# Altium PCB PCB1.PcbDoc (part 4 of 4)
Units mil, origin at the board's own origin, x right, y up, seen from the top; angles counter-clockwise.
Board outline 7874.02 x 4566.93 mil, 9 copper layers (HIGH_SPEED_TOP, GND PLANE1, LOW_SPEED, POWER_PLANE1, POWER_PLANE2, SIGNAL, Mid-Layer 11, GND_PLANE3, HIGH_SPEED_BOT), stack 76.99 mil thick; 510 components, 416 nets, 2438 pads, 24 vias.
Unrouted connection lines stored in the file: 1542.
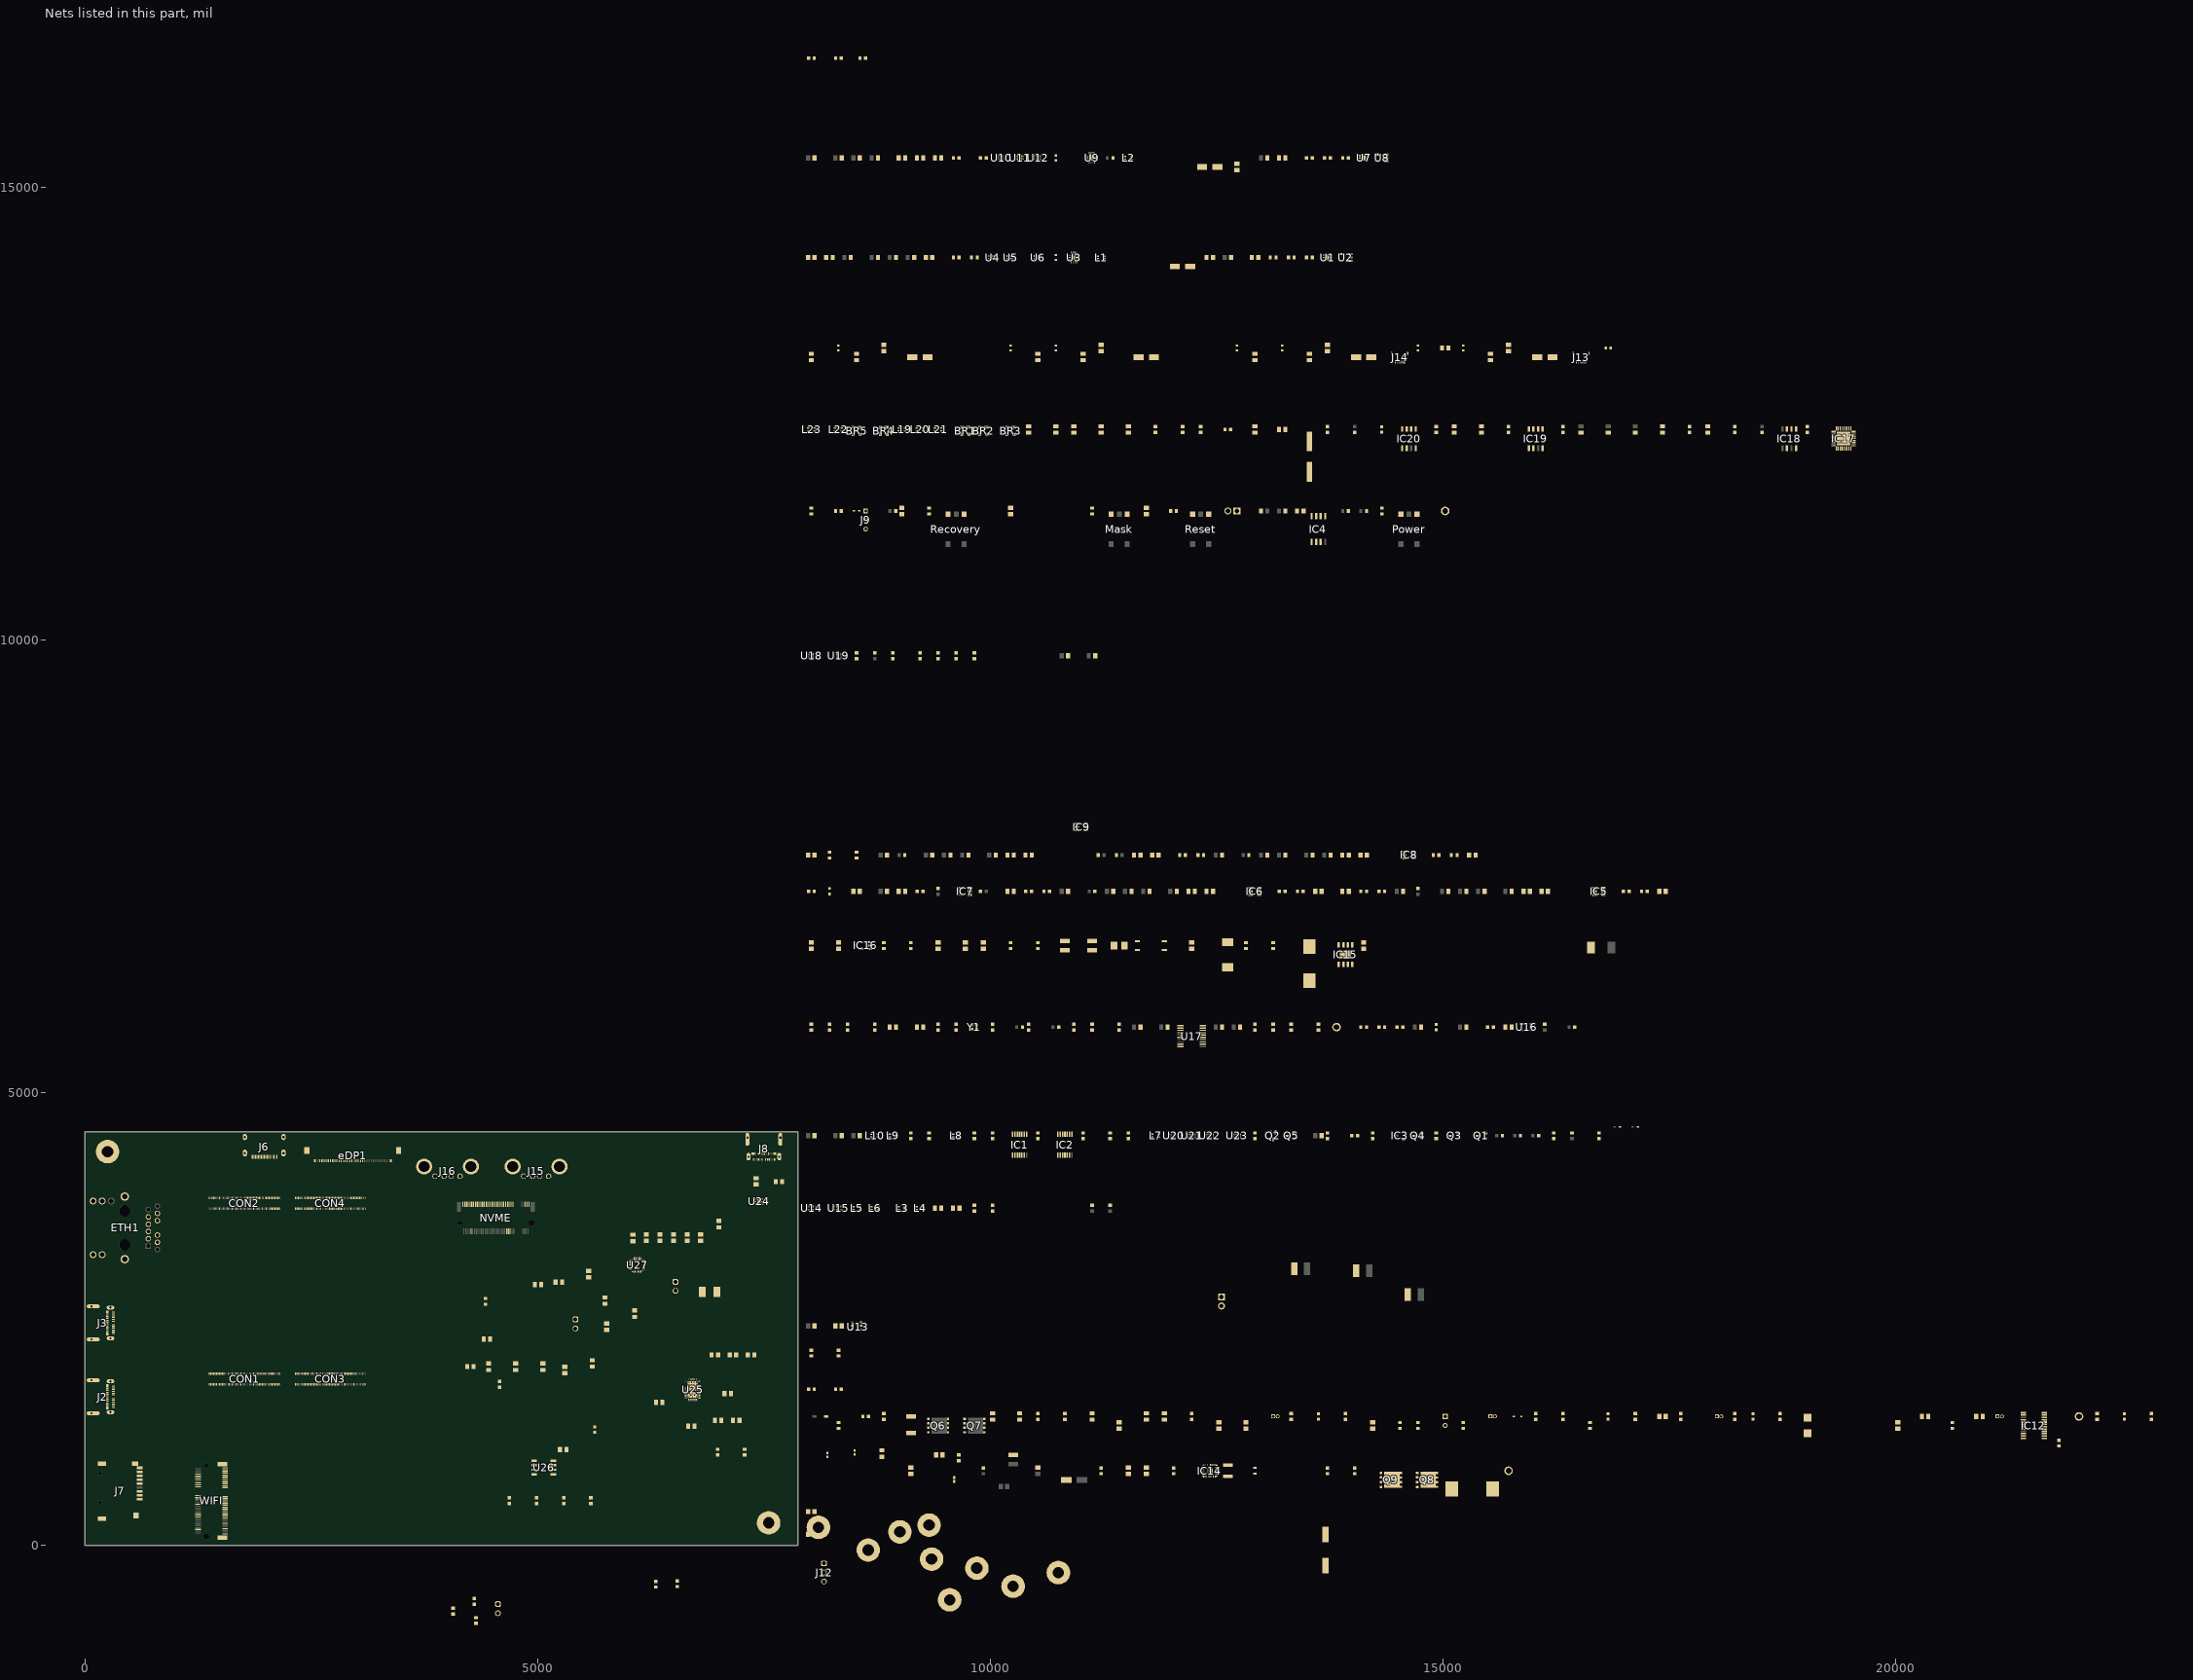
[diagram p11: the nets of this part, all layers, seen from the top]

## Via types
v1: diameter 23.62, hole 11.81, HIGH_SPEED_TOP to HIGH_SPEED_BOT, 24 vias

## Nets (pads, with @x,y where several pads share a name; then routed paths per layer and width w, separated by ;. In a path a pad name is that pad's centre, name@x,y a point inside that pad or via, vN(x,y) a via of type N, cw(c..) or ccw(c..) an arc to the next point about the centre after c; other vN are vias at no path point) (continued)
AGND: 66.1 BR1.3 BR2.3 BR3.3 BR4.3 BR5.3 BT4.2 C1.2 C2.1 C3.1 C4.1 C5.1 C6.1 C7.1 C8.1 C9.1 C10.1 C11.2 C12.1 C13.1 C14.1 C15.1 C16.1 C17.1 C18.1 C19.1 C20.1 C21.1 C22.1 C23.1 C24.1 C26.1 C27.1 C28.1 C29.1 C30.1 C31.1 C32.1 C33.1 C34.1 C35.1 C36.1 C37.1 C38.1 C39.1 C40.1 C41.2 C42.2 C43.2 C44.2 C45.1 C46.2 C47.1 C48.1 C49.1 C52.1 C53.1 C54.1 C55.1 C56.1 C57.1 C58.1 C61.1 C62.1 C63.1 C64.1 C65.1 C67.1 C68.1 C69.1 C70.1 C73.1 C74.1 C75.1 C76.1 C77.1 C78.1 C79.1 C82.1 C83.1 C84.1 C85.1 C86.1 C87.1 C88.1 C89.1 C90.1 C91.1 C92.1 C93.1 C94.1 C95.1 C96.1 C97.1 C98.1 C99.1 C100.1 C101.1 C102.1 C103.1 C112.1 C113.1 C114.1 C115.1 C116.2 C117.2 C122.1 C124.1 C127.2 C129.1 C130.1 C131.2 C132.1 C133.1 C134.2 C135.1 C136.1 C140.1 C141.1 C143.1 C144.1 C145.1 C146.2 C147.2 C148.2 C149.1 C151.1 C152.1 C153.1 C154.2 C155.2 C156.2 C157.2 C158.2 C159.2 C160.2 C161.1 C162.2 C163.2 C164.2 C165.2 C166.2 C167.1 C168.2 C169.2 C170.2 C171.2 C172.2 C173.2 C174.2 C175.2 C176.2 C177.2 C178.2 C179.2 C180.2 C181.2 C182.2 C183.2 C185.2 C186.2 CON1.11 CON1.12 CON1.13 CON1.24 CON1.33 CON1.34 CON1.39 CON1.40 CON1.45 CON1.46 CON1.51 CON1.52 CON1.57 CON1.58 CON1.63 CON1.64 CON1.69 CON1.70 CON1.73 CON1.76 CON1.77 CON1.82 CON1.88 CON1.91 CON1.94 CON1.100 CON2.9 CON2.10 CON2.15 CON2.16 CON2.21 CON2.22 CON2.27 CON2.28 CON2.33 CON2.34 CON2.39 CON2.40 CON2.45 CON2.46 CON2.51 CON2.52 CON2.57 CON2.58 CON2.63 CON2.64 CON2.69 CON2.70 CON2.75 CON2.76 CON2.81 CON2.82 CON2.87 CON2.88 CON2.93 CON2.94 CON2.99 CON2.100 CON3.1 CON3.2 CON3.7 CON3.8 CON3.13 CON3.14 CON3.19 CON3.20 CON3.25 CON3.26 CON3.31 CON3.32 CON3.37 CON3.38 CON3.44 CON3.49 CON3.50 CON3.56 CON3.59 CON3.62 CON3.71 CON3.84 CON3.85 CON3.94 CON4.1 CON4.2 CON4.7 CON4.8 CON4.13 CON4.14 CON4.19 CON4.20 CON4.25 CON4.26 CON4.31 CON4.32 CON4.37 CON4.38 CON4.43 CON4.44 CON4.49 CON4.50 CON4.55 CON4.61 CON4.62 CON4.68 CON4.80 CON4.83 CON4.96 D5.2 D7.2 eDP1.14 eDP1.15 eDP1.21 eDP1.22 eDP1.23 eDP1.24 eDP1.27 eDP1.30 eDP1.33 eDP1.36 eDP1.39 eDP1.S1 eDP1.S2 eDP1.S3 eDP1.S4 ETH1.S1 ETH1.S2 FB2.1 FB2.2 FB4.1 FB4.2 FB6.1 FB6.2 FB8.1 FB8.2 FB9.1 FB9.2 FB10.1 FB10.2 IC1.7 IC2.7 IC3.1 IC4.4 IC5.1 IC6.1 IC7.2 IC8.1 IC9.1 IC12.9 IC12.23 IC12.24 IC14.5 IC14.6 IC14.7 IC14.10 IC14.15 IC14.28 IC15.7 IC15.9 IC16.2 IC17.11 IC17.37 IC18.3 IC19.6 IC20.6 J2.A1 J2.A12 J2.B1 J2.B12 J2.SH1 J2.SH2 J2.SH3 J2.SH4 J3.A1 J3.A12 J3.B1 J3.B12 J3.SH1 J3.SH2 J3.SH3 J3.SH4 J6.1 J6.4 J6.7 J6.10 J6.13 J6.20 J7.6 J7.G1 J7.G2 J7.G3 J7.G4 J8.A1 J8.A12 J8.B1 J8.B12 J8.SH1 J8.SH2 J8.SH3 J8.SH4 J9.3 J12.3 J13.1 J14.1 J15.4 J16.4 J17.1 JP1.2 JP2.2 L24.1 L24.2 L25.1 L25.2 LED2.1 LED8.1 Mask.2 MTHNP1.1 MTHNP2.1 MTHNP3.1 MTHNP4.1 MTHNP5.1 MTHNP6.1 MTHNP7.1 MTHNP8.1 MTHNP9.1 MTHNP10.1 MTHNP11.1 NVME.1 NVME.3 NVME.9 NVME.15 NVME.21 NVME.27 NVME.33 NVME.39 NVME.45 NVME.51 NVME.57 NVME.71 NVME.73 NVME.75 Power.2 Q4.2 Q5.2 Q7.1 Q7.2 Q7.3 Q9.1 Q9.2 Q9.3 R1.1 R2.1 R3.1 R4.1 R5.1 R8.1 R9.1 R10.1 R11.1 R12.1 R23.1 R24.1 R30.1 R31.1 R36.1 R37.2 R38.1 R39.1 R40.1 R53.1 R74.1 R83.1 R88.1 R91.1 R97.1 R102.1 R104.1 R105.1 R106.1 R108.1 R112.1 R114.1 R115.1 R117.1 R127.1 R128.1 R135.1 R138.2 R139.1 R141.1 R142.1 R147.1 R149.1 R150.1 R151.1 R152.1 R155.1 R157.1 R158.1 R163.2 R164.1 R166.2 R168.2 R169.2 R170.2 R171.2 Recovery.2 Reset.2 RT1.2 RTC_BAT.2 U1.1 U1.2 U1.3 U1.7 U2.2 U3.9 U3.15 U4.3 U4.8 U5.3 U5.8 U6.3 U6.8 U7.1 U7.2 U7.3 U7.7 U8.2 U9.9 U9.15 U10.3 U10.8 U11.3 U11.8 U12.3 U12.8 U13.2 U14.3 U14.8 U15.3 U15.8 U16.2 U17.2 U17.3 U17.9 U17.16 U18.3 U18.8 U19.3 U19.8 U20.3 U20.8 U21.3 U21.8 U22.3 U22.8 U23.3 U23.8 U24.1 U24.2 U24.3 U24.7 U25.10 U25.11 U25.12 U25.14 U25.18 U25.31 U25.39 U26.4 U27.10 U27.11 U27.13 U27.27 WIFI.1 WIFI.7 WIFI.18 WIFI.33 WIFI.39 WIFI.45 WIFI.51 WIFI.57 WIFI.63 WIFI.69 WIFI.75 WIFI.S1 WIFI.S2 Y1.2 Y1.4
  other v1: 6670.84,1718.65 6697.61,1718.65 6724.39,1718.65 6751.16,1718.65 6670.84,1746.21 6697.61,1746.21 6724.39,1746.21 6751.16,1746.21 6670.84,1773.77 6697.61,1773.77 6724.39,1773.77 6751.16,1773.77 6670.84,1801.33 6697.61,1801.33 6724.39,1801.33 6751.16,1801.33
BOOT_SARADC_IN0: C43.1 CON1.15 R72.1
C_CC1: C91.2 J8.A5 U25.28
C_CC2: C90.2 J8.B5 U25.29
C_USB_N: J8.A7 J8.B7 U25.27
C_USB_P: J8.A6 J8.B6 U25.26
CEC: J6.14 Q3.3 R61.1 U21.1 U21.10
CHG: Q6.4 R122.2 R140.2
CLK2_N: R33.1 U17.13
CLK2_P: R32.1 U17.14
CLK3_N: R35.1 U17.11
CLK3_P: R34.1 U17.12
CLK_N: R29.1 U17.19
CLK_P: R28.1 U17.20
CR: C159.1 IC17.14
DN1_N: IC17.1 L20.2
DN1_OUT_N: BR2.4 J13.5 L20.3
DN1_OUT_P: BR2.2 J13.4 L20.4
DN1_P: IC17.2 L20.1
DN2_N: IC17.3 L21.2
DN2_OUT_N: BR3.4 J14.5 L21.3
DN2_OUT_P: BR3.2 J14.4 L21.4
DN2_P: IC17.4 L21.1
DN3_N: IC17.6 L23.2
DN3_OUT_N: BR5.4 J15.2 L23.3
DN3_OUT_P: BR5.2 J15.3 L23.4
DN3_P: IC17.7 L23.1
DN4_N: IC17.8 L22.2
DN4_OUT_N: BR4.4 J16.2 L22.3
DN4_OUT_P: BR4.2 J16.3 L22.4
DN4_P: IC17.9 L22.1
DSG: D4.1 D6.1 Q7.4 R125.2 R141.2
GPIO0_A4/SDMMC_DET_L: CON4.70 R49.1 R50.1
GPIO0_B2: CON3.47 WIFI.21
GPIO0_C4/UART0_RX_M0: CON3.70 R41.1
GPIO0_C5/UART0_TX_M0/PWM4_M0: CON3.72 WIFI.20
GPIO0_D3/CC_INT_L: CON3.64 U3.5
GPIO0_D5: CON3.68 R13.1 U9.5
GPIO1_A0/UART6_RX_M1: CON3.73 WIFI.22
GPIO1_A1/UART6_TX_M1: CON3.75 WIFI.32
GPIO1_A2/I2C4_SDA_M3_TP: CON3.77 WIFI.36
GPIO1_A3/I2C4_SCL_M3_TP: CON3.79 WIFI.34
GPIO1_A4: CON3.81 IC4.2
GPIO1_D2/TYPEC5V_PWREN_H: CON3.39 R1.2 U2.4
GPIO2_A6: CON1.79 WIFI.13
GPIO2_A7: CON1.81 WIFI.15
GPIO2_B0: CON1.83 WIFI.17
GPIO2_B1: CON1.85 WIFI.19
GPIO2_B2: CON1.87 WIFI.11
GPIO2_B3: CON1.89 WIFI.9
GPIO2_B7: CON1.99 WIFI.8
GPIO2_C0: CON1.21 WIFI.10
GPIO2_C3: CON1.27 R42.2
GPIO3_A0/SPI4_MISO_M1/PWM10_M0: CON4.87 IC4.3
GPIO3_A1/SPI4_MOSI_M1: CON4.89 IC4.5
GPIO3_A2/SPI4_CLK_M1/UART8_TX_M1: CON4.91 IC4.6 R76.1
GPIO3_A3/SPI4_CS0_M1/UART8_RX_M1: CON4.93 IC4.7 R75.1
GPIO3_A5: CON4.97 IC4.1
GPIO3_A6/LCD_RST: CON4.99 WIFI.42
GPIO3_A7: CON4.100 U13.3
GPIO3_B4: CON4.90 R10.2 U8.4
GPIO3_B7: CON4.98 eDP1.16
GPIO3_C7/I2C5_SCL_M0_TP: CON4.81 R107.1 U25.9
GPIO3_D0/I2C5_SDA_M0_TP: CON4.79 R103.1 U25.8
GPIO3_D5/PWM11_M3/LCD_2_BL: CON4.85 WIFI.54 WIFI.70
GPIO4_A0/TP_2_INT_L: CON3.51 WIFI.53
GPIO4_A1/TP_2_RST_L: CON3.53 WIFI.55
GPIO4_A2: CON3.55 WIFI.52
GPIO4_B4/PCIE30X4_CLKREQn_M1_L: CON3.65 R20.2
GPIO4_B5/PCIE30X4_WAKEn_M1_L: CON3.67 R21.2
GPIO4_B6/PCIE30X4_PERSTn_M1_L: CON3.69 R19.2
GPIO4_C3: CON1.28 R43.2
GPIO4_C4/MIPI_CAM1_RESET_L: CON1.30 WIFI.56
HDMI0_TX0_N: CON4.47 L9.3
HDMI0_TX0_P: CON4.45 L9.4
HDMI0_TX1_N: CON4.41 L8.3
HDMI0_TX1_P: CON4.39 L8.4
HDMI0_TX2_N: CON4.35 L7.3
HDMI0_TX2_P: CON4.33 L7.4
HDMI0_TX3_N: CON4.53 L10.3
HDMI0_TX3_P: CON4.51 L10.4
HDMI0_TX_ON_H: CON4.69 IC1.1 IC1.4 IC1.10 IC1.13 IC2.1 IC2.4 IC2.10 IC2.13
HDMI0_TX_SBD_N: CON4.59 J6.19 R54.1 U21.5 U21.6
HDMI0_TX_SBD_P: CON4.57 J6.17 U21.4 U21.7
HDMI1_TX0_N: CON4.17 eDP1.29
HDMI1_TX0_P: CON4.15 eDP1.28
HDMI1_TX1_N: CON4.11 eDP1.32
HDMI1_TX1_P: CON4.9 eDP1.31
HDMI1_TX2_N: CON4.5 eDP1.35
HDMI1_TX2_P: CON4.3 eDP1.34
HDMI1_TX3_N: CON4.23 eDP1.38
HDMI1_TX3_P: CON4.21 eDP1.37
HDMI1_TX_SBD_N: CON4.29 eDP1.25
HDMI1_TX_SBD_P: CON4.27 eDP1.26
HDMITX0_CEC_M0: CON4.67 Q3.2 R60.1
HDMITX0_HPDIN_M0: CON3.95 Q4.3 R51.1
HDMITX0_SCL_M0: CON4.63 Q1.2 R55.1
HDMITX0_SDA_M0: CON4.65 R57.1
I2C6_SCL_M0: CON3.96 R4.2 U3.6
I2C6_SDA_M0: CON3.98 R5.2 U3.7
I2C7_SCL_M0: CON2.7 R11.2 U9.6
I2C7_SDA_M0: CON2.5 R12.2 U9.7
I2C_SCL: J12.1 R109.2 U25.17 U26.6 U27.14
I2C_SDA: J12.2 R110.2 U25.16 U26.5 U27.15
ILIM_HIZ: R113.1 R114.2 U27.17
ISET_1: R2.2 R3.2 U2.3
LD: IC12.14 R142.2
LDO_1V5: C89.2 U25.2 U25.3 U25.4
LDO_3V3: C88.2 C98.2 LED3.1 R109.1 R110.1 U25.1 U26.8
LED2_25GLAN_1GLED: CON1.74 R16.1
LED3_25GLAN_25GLED: CON1.72 R17.1
Net66_2: 66.2 IC7.4
NetBT1_1: BT1.1 LED4.1 R126.1
NetBT1_2: BT1.2 BT2.1 LED5.1 R131.1
NetBT2_2: BT2.2 BT3.1 LED6.1 R133.1
NetBT3_2: BT3.2 BT4.1 LED7.1 R137.1
NetC22_2: C22.2 eDP1.17 eDP1.18 eDP1.19 U13.5 U13.6
NetC23_2: C23.2 ETH1.13 R16.2
NetC24_2: C24.2 ETH1.17 R17.2
NetC27_2: C27.2 U16.4
NetC33_2: C33.2 U17.5 Y1.1
NetC34_2: C34.2 R25.1 Y1.3
NetC47_2: C47.2 C48.2 IC5.3 R79.2 R80.2
NetC49_2: C49.2 IC5.5 R81.2
NetC50_1: C50.1 IC5.6
NetC50_2: C50.2 IC5.2 L11.2
NetC51_1: C51.1 IC5.4 R82.1 R83.2
NetC56_2: C56.2 C57.2 IC6.3 R84.2 R85.2
NetC58_2: C58.2 IC6.5 R86.2
NetC59_1: C59.1 IC6.6
NetC59_2: C59.2 IC6.2 L12.2
NetC60_1: C60.1 IC6.4 R87.1 R88.2
NetC65_2: C65.2 IC7.1 R89.2 R90.2
NetC68_2: C68.2 C69.2 IC8.3 R93.2 R94.2
NetC70_2: C70.2 IC8.5 R95.2
NetC71_1: C71.1 IC8.6
NetC71_2: C71.2 IC8.2 L13.2
NetC72_1: C72.1 IC8.4 R96.1 R97.2
NetC77_2: C77.2 C78.2 IC9.3 R98.2 R99.2
NetC79_2: C79.2 IC9.5 R100.2
NetC80_1: C80.1 IC9.6
NetC80_2: C80.2 IC9.2 L14.2
NetC81_1: C81.1 IC9.4 R101.1 R102.2
NetC104_1: C104.1 U27.4
NetC104_2: C104.2 L16.1 U27.28
NetC105_1: C105.1 U27.19
NetC105_2: C105.2 L16.2 U27.26
NetC106_1: C106.1 C107.1 C108.1 C109.1 C110.1 C111.1
NetC115_2: C115.2 U27.24
NetC116_1: C116.1 IC12.1 IC12.20 R143.1 TP3.TP
NetC117_1: C117.1 IC12.2
NetC126_1: C126.1 Q6.1 Q6.2 Q6.3 R136.1 R138.1 R140.1
NetC126_2: C126.2 C127.1
NetC137_1: C137.1 IC14.22
NetC137_2: C137.2 IC14.23 L17.1 Q8.1 Q8.2 Q8.3 Q9.5 Q9.6 Q9.7 Q9.8 Q9.9 TP4.TP
NetC138_1: C138.1 IC14.20
NetC138_2: C138.2 IC14.21 IC14.25 L17.2
NetC139_1: C139.1 R152.2
NetC139_2: C139.2 C140.2 IC14.18
NetC141_2: C141.2 IC14.19 IC14.30
NetC142_1: C142.1 IC15.1
NetC142_2: C142.2 D7.1 IC15.8 L18.1
NetC149_2: C149.2 IC15.4
NetC150_1: C150.1 R157.2
NetC150_2: C150.2 C151.2 IC15.6
NetC155_1: C155.1 IC17.27 R160.2 R163.1
NetC161_2: C161.2 IC17.33 R172.2 Y2.1
NetC166_1: C166.1 IC17.26 R167.2
NetC167_2: C167.2 IC17.32 R172.1 Y2.2
NetC171_1: C171.1 J13.MP1 J13.MP2
NetC175_1: C175.1 J14.MP1 J14.MP2
NetC179_1: C179.1 J15.5 J15.6
NetC183_1: C183.1 J16.5 J16.6
NetCON1_1: CON1.1 CON1.2 CON1.3 CON1.4 CON1.5 CON1.6 CON1.7 CON1.8 CON1.9 CON1.10 R6.1 R7.1
NetD1_1: D1.1 R56.2 R59.2
NetD2_1: D2.1 R61.2
NetD3_1: D3.1 J9.1
NetD4_2: D4.2 R124.2 R125.1
NetETH1_14: ETH1.14 R14.1
NetETH1_16: ETH1.16 R15.1
NetIC1_2: IC1.2 R62.1
NetIC1_5: IC1.5 R63.1
NetIC1_9: IC1.9 R64.1
NetIC1_12: IC1.12 R65.1
NetIC2_2: IC2.2 R66.1
NetIC2_5: IC2.5 R67.1
NetIC2_9: IC2.9 R68.1
NetIC2_12: IC2.12 R69.1
NetIC7_3: IC7.3 R90.1 R91.2
NetIC12_12: IC12.12 R124.1
NetIC12_13: IC12.13 R122.1
NetIC12_16: IC12.16 R127.2
NetIC12_17: IC12.17 R128.2
NetIC12_19: IC12.19 R120.1
NetIC14_1: IC14.1 IC14.27 R145.1
NetIC14_2: IC14.2 R146.1
NetIC14_4: IC14.4 R144.1 R147.2
NetIC14_8: IC14.8 R150.2
NetIC14_14: IC14.14 R148.1 R149.2
NetIC14_17: IC14.17 R151.2
NetIC15_3: IC15.3 R153.1 R155.2
NetIC15_5: IC15.5 R156.1 R158.2
NetIC17_22: IC17.22 R171.1
NetIC17_24: IC17.24 R170.1
NetIC17_25: IC17.25 R169.1
NetIC17_28: IC17.28 R165.2 R166.1
NetIC17_35: IC17.35 R168.1
NetIC18_1: IC18.1 R161.2 R162.2
NetJ9_2: J9.2 R78.2
NetJ17_2: J17.2 Power.1 R70.2 TP2.TP
NetJP3_2: JP3.2 R117.2
NetLED1_1: LED1.1 NVME.10
NetLED1_2: LED1.2 R18.1
NetLED2_2: LED2.2 R92.1
NetLED4_2: LED4.2 R123.1
NetLED5_2: LED5.2 R130.1
NetLED6_2: LED6.2 R132.1
NetLED7_2: LED7.2 R134.1
NetLED8_2: LED8.2 R165.1
NetMask_1: Mask.1 R72.2
NetNVME_50: NVME.50 R19.1
NetNVME_52: NVME.52 R20.1
NetNVME_54: NVME.54 R21.1 TP1.TP
NetQ2_1: Q2.1 R58.2
NetQ4_1: Q4.1 Q5.3 R52.1
NetQ5_1: Q5.1 R53.2 R54.2
NetQ8_4: Q8.4 R146.2
NetQ9_4: Q9.4 R145.2
NetR6_2: R6.2 R7.2 R79.1 R80.1 R84.1 R85.1 R93.1 R94.1
NetR8_2: R8.2 R9.2 U8.3
NetR22_1: R22.1 R23.2 U16.3
NetR24_2: R24.2 U17.4
NetR25_2: R25.2 U17.6
NetR26_1: R26.1 U17.7
NetR27_1: R27.1 U17.8
NetR36_2: R36.2 U17.10
NetR41_2: R41.2 WIFI.23
NetR42_1: R42.1 WIFI.12
NetR43_1: R43.1 WIFI.14
NetR57_2: R57.2 R58.1
NetR71_2: R71.2 Reset.1
NetR73_2: R73.2 Recovery.1
NetR104_2: R104.2 U26.1
NetR105_2: R105.2 U26.2
NetR106_2: R106.2 U26.3
NetR108_2: R108.2 U26.7
NetR111_2: R111.2 U27.18
NetR154_1: R154.1 R156.2
NetU25_15: U25.15 U25.30 U25.40
  other v1: 6670.84,1642.87 6711,1642.87 6751.16,1642.87 6690.92,1660.58 6731.08,1660.58 6670.84,1678.3 6711,1678.3 6751.16,1678.3
OCS_N1: IC17.13 IC18.2 IC19.2
OCS_N2: IC17.17 IC19.3
OCS_N3: IC17.19 IC20.2
OCS_N4: IC17.21 IC20.3
P3V3: C87.2 C152.2 IC16.5 R103.2 R107.2 U25.38
P25G_MDI0_N: CON1.80 L3.2 U14.2 U14.5 U14.6 U14.9
P25G_MDI0_O_N: ETH1.10 L3.3
P25G_MDI0_O_P: ETH1.11 L3.4
P25G_MDI0_P: CON1.78 L3.1 U14.1 U14.4 U14.7 U14.10
P25G_MDI1_N: CON1.86 L4.2
P25G_MDI1_O_N: ETH1.5 L4.3
P25G_MDI1_O_P: ETH1.4 L4.4
P25G_MDI1_P: CON1.84 L4.1
P25G_MDI2_N: CON1.92 L5.2 U15.2 U15.9
P25G_MDI2_O_N: ETH1.2 L5.3
P25G_MDI2_O_P: ETH1.3 L5.4
P25G_MDI2_P: CON1.90 L5.1 U15.1 U15.10
P25G_MDI3_N: CON1.98 L6.2 U15.5 U15.6
P25G_MDI3_O_N: ETH1.9 L6.3
P25G_MDI3_O_P: ETH1.8 L6.4
P25G_MDI3_P: CON1.96 L6.1 U15.4 U15.7
PACK+: C112.2 C113.2 C114.2 JP2.1 Q6.5 Q6.6 Q6.7 Q6.8 Q7.5 Q7.6 Q7.7 Q7.8 R111.1 R129.1 R143.2 U27.22 U27.23
PCIE20_1_REFCLK_N: CON3.17 WIFI.49
PCIE20_1_REFCLK_P: CON3.15 WIFI.47
PCIE20_1_RX_N: CON3.11 WIFI.43
PCIE20_1_RX_P: CON3.9 WIFI.41
PCIE20_1_TX_N: CON3.5 WIFI.37
PCIE20_1_TX_P: CON3.3 WIFI.35
PCIE30_PORT0_IN_REFCLK_N: CON3.18 R35.2 R40.2
PCIE30_PORT0_IN_REFCLK_P: CON3.16 R34.2 R39.2
PCIE30_PORT0_RX0_N: CON3.6 NVME.41
PCIE30_PORT0_RX0_P: CON3.4 NVME.43
PCIE30_PORT0_RX1_N: CON3.12 NVME.29
PCIE30_PORT0_RX1_P: CON3.10 NVME.31
PCIE30_PORT0_TX0_N: CON3.24 NVME.47
PCIE30_PORT0_TX0_P: CON3.22 NVME.49
PCIE30_PORT0_TX1_N: CON3.30 NVME.35
PCIE30_PORT0_TX1_P: CON3.28 NVME.37
PCIE30_PORT1_IN_REFCLK_N: CON3.60 R33.2 R38.2
PCIE30_PORT1_IN_REFCLK_P: CON3.58 R32.2 R37.1
PCIE30_PORT1_RX2_N: CON3.36 NVME.17
PCIE30_PORT1_RX2_P: CON3.34 NVME.19
PCIE30_PORT1_RX3_N: CON3.42 NVME.5
PCIE30_PORT1_RX3_P: CON3.40 NVME.7
PCIE30_PORT1_TX2_N: CON3.48 NVME.23
PCIE30_PORT1_TX2_P: CON3.46 NVME.25
PCIE30_PORT1_TX3_N: CON3.54 NVME.11
PCIE30_PORT1_TX3_P: CON3.52 NVME.13
PCIE30_REFCLK_A_N: NVME.53 R29.2 R30.2
PCIE30_REFCLK_A_P: NVME.55 R28.2 R31.2
PGND: IC14.9 IC14.24
PLL: C160.1 IC17.34
PMIC_EXT_EN_OUT: CON1.19 R81.1 R86.1 R95.1 R100.1
PMID: C99.2 C100.2 C101.2 C102.2 U27.29
PP5V: C146.1 C147.1 C148.1 C153.2 IC16.1 IC16.3 L18.2 R154.2 U25.34 U25.35
PPHV: C92.2 C93.2 C94.2 C95.2 C96.2 C97.2 U25.20 U25.21 U25.22 U27.2 U27.3 U27.8 U27.9
PRES: IC12.22 R129.2
PROG: R112.2 U27.20
PRTPWR1: IC17.12 IC19.1 R162.1 R164.2
PRTPWR2: IC17.16 IC19.4
PRTPWR3: IC17.18 IC20.1
PRTPWR4: IC17.20 IC20.4
PWR1: BR2.1 C168.1 C169.1 C170.1 FB1.1 FB1.2 IC18.6 IC18.8 IC19.8 J13.6
PWR2: BR3.1 C172.1 C173.1 C174.1 FB3.1 FB3.2 IC19.5 J14.6
PWR3: BR5.1 C176.1 C177.1 C178.1 FB5.1 FB5.2 IC20.8 J15.1
PWR4: BR4.1 C180.1 C181.1 C182.1 FB7.1 FB7.2 IC20.5 J16.1
PWRON_L: C41.1 CON1.17 R70.1
RECOVERY: C44.1 CON2.1 R73.1
REGN: C103.2 R113.2 R116.2 U27.5
RESET_L: C42.1 CON1.16 R71.1
SCL: J6.15 Q1.3 R56.1 U20.5 U20.6
SD_CLK: CON4.60 J7.5 U18.5 U18.6
SD_CMD: J7.3 R46.2 U18.4 U18.7
SD_D0: J7.7 R47.2 U19.1 U19.10
SD_D1: J7.8 R48.2 U19.2 U19.9
SD_D2: J7.1 R44.2 U18.1 U18.10
SD_D3: J7.2 R45.2 U18.2 U18.9
SD_DET: J7.CD R50.2 U19.4 U19.7
SDA: J6.16 Q2.3 R59.1 U20.4 U20.7
SDMMC0_CMD: CON4.56 R46.1
SDMMC0_D0: CON4.64 R47.1
SDMMC0_D1: CON4.66 R48.1
SDMMC0_D2: CON4.52 R44.1
SDMMC0_D3: CON4.54 R45.1
SR_N: C122.2 C123.2 IC12.11 R135.2
SR_P: C123.1 C124.2 IC12.10 R136.2
STAT: LED3.2 U27.1
TS: JP3.1 R115.2 R116.1 U27.16
TX0P_N: IC2.6 J6.9 U23.2 U23.9
TX0P_OUT_N: L9.2 R67.2
TX0P_OUT_P: L9.1 R66.2
TX0P_P: IC2.3 J6.8 U23.1 U23.10
TX1P_N: IC1.11 J6.6 U22.5 U22.6
TX1P_OUT_N: L8.2 R65.2
TX1P_OUT_P: L8.1 R64.2
TX1P_P: IC1.8 J6.5 U22.4 U22.7
TX2P_N: IC1.6 J6.3 U22.2 U22.9
TX2P_OUT_N: L7.2 R63.2
TX2P_OUT_P: L7.1 R62.2
TX2P_P: IC1.3 J6.2 U22.1 U22.10
TX3P_N: IC2.11 J6.12 U23.5 U23.6
TX3P_OUT_N: L10.2 R69.2
TX3P_OUT_P: L10.1 R68.2
TX3P_P: IC2.8 J6.11 U23.4 U23.7
TYPE_CC1: C4.2 J2.A5 U3.10 U3.11
TYPE_CC1_J3: C19.2 J3.A5 U9.10 U9.11
TYPE_CC2: C5.2 J2.B5 U3.1 U3.14
TYPE_CC2_J3: C20.2 J3.B5 U9.1 U9.14
TYPEC0_D_N: J2.A7 J2.B7 L1.2 U4.5 U4.6
TYPEC0_D_P: J2.A6 J2.B6 L1.1 U4.4 U4.7
TYPEC0_OTG_N: CON2.92 L1.3
TYPEC0_OTG_P: CON2.90 L1.4
TYPEC0_SBU1_OUT: CON4.4 J2.A8 U4.1 U4.10
TYPEC0_SBU2_OUT: CON4.6 J2.B8 U4.2 U4.9
TYPEC0_SSRX1_N: CON2.73 J2.B10 U6.5 U6.6
TYPEC0_SSRX1_P: CON2.71 J2.B11 U6.4 U6.7
TYPEC0_SSRX2_N: CON2.61 J2.A10 U5.5 U5.6
TYPEC0_SSRX2_P: CON2.59 J2.A11 U5.4 U5.7
TYPEC0_SSTX1_N: CON2.67 J2.A3 U6.2 U6.9
TYPEC0_SSTX1_P: CON2.65 J2.A2 U6.1 U6.10
TYPEC0_SSTX2_N: CON2.55 J2.B3 U5.2 U5.9
TYPEC0_SSTX2_P: CON2.53 J2.B2 U5.1 U5.10
TYPEC1_D_N: J3.A7 J3.B7 L2.2 U10.5 U10.6
TYPEC1_D_P: J3.A6 J3.B6 L2.1 U10.4 U10.7
TYPEC1_OTG_D_N: CON2.98 L2.3
TYPEC1_OTG_D_P: CON2.96 L2.4
TYPEC1_SBU1: CON4.10 J3.A8 U10.1 U10.10
TYPEC1_SBU2: CON4.12 J3.B8 U10.2 U10.9
TYPEC1_SSRX1_N: CON2.97 J3.B10 U11.2 U11.9
TYPEC1_SSRX1_P: CON2.95 J3.B11 U11.1 U11.10
TYPEC1_SSRX2_N: CON2.85 J3.A10 U12.2 U12.9
TYPEC1_SSRX2_P: CON2.83 J3.A11 U12.1 U12.10
TYPEC1_SSTX1_N: CON2.91 J3.A3 U11.5 U11.6
TYPEC1_SSTX1_P: CON2.89 J3.A2 U11.4 U11.7
TYPEC1_SSTX2_N: CON2.79 J3.B3 U12.5 U12.6
TYPEC1_SSTX2_P: CON2.77 J3.B2 U12.4 U12.7
UART2_RX_M0_DEBUG: CON1.22 D3.2 R77.1
UART2_TX_M0_DEBUG: CON1.20 R78.1
UP_N: IC17.30 L19.2
UP_P: IC17.31 L19.1
USB20_HOST0_D_N: BR1.4 CON4.24 L19.3
USB20_HOST0_D_P: BR1.2 CON4.22 L19.4
USB20_HOST1_D_N: CON4.18 WIFI.5
USB20_HOST1_D_P: CON4.16 WIFI.3
VBAT_RTC: CON3.100 RTC_BAT.1
VBUS: C86.2 J8.A4 J8.A9 J8.B4 J8.B9 L15.1 L15.2 U24.4 U24.5 U24.6 U25.23 U25.24 U25.25 U25.32 U25.33
VBUS_5V0_TYPEC: C1.1 C3.2 C10.2 C11.1 J2.A4 J2.A9 J2.B4 J2.B9 U1.4 U1.5 U1.6 U2.1 U3.2
VBUS_5V0_TYPEC1: C13.2 C18.2 C185.1 C186.1 J3.A4 J3.A9 J3.B4 J3.B9 U7.4 U7.5 U7.6 U8.1 U9.2
VBUS_UP: BR1.1 C154.1 R160.1
VC0: C128.1 C130.2 IC12.8 R139.2
VC1: C125.1 C128.2 C129.2 IC12.7 R134.2 R137.2
VC2: C121.1 C125.2 IC12.6 R132.2 R133.2
VC3: C120.1 C121.2 IC12.5 R130.2 R131.2
VC4: C120.2 D5.1 IC12.3 IC12.4 R123.2 R126.2
VCC_SYS: C106.2 C107.2 C108.2 C109.2 C110.2 C111.2 C134.1 C135.2 C136.2 C143.2 C144.2 C145.2 IC14.3 IC15.2 JP1.1 Q8.5 Q8.6 Q8.7 Q8.8 Q8.9 R144.2 R153.2 U27.25
VDC_MODE: CON1.18 R74.2
VDDA33: C162.1 C163.1 C164.1 C165.1 IC17.5 IC17.10 IC17.29 IC17.36
VTB: IC12.18 R120.2 RT1.1
pads on no net: C66.1 C66.2 CON1.14 CON1.23 CON1.25 CON1.26 CON1.29 CON1.31 CON1.32 CON1.35 CON1.36 CON1.37 CON1.38 CON1.41 CON1.42 CON1.43 CON1.44 CON1.47 CON1.48 CON1.49 CON1.50 CON1.53 CON1.54 CON1.55 CON1.56 CON1.59 CON1.60 CON1.61 CON1.62 CON1.65 CON1.66 CON1.67 CON1.68 CON1.71 CON1.75 CON1.93 CON1.95 CON1.97 CON2.2 CON2.3 CON2.4 CON2.6 CON2.8 CON2.11 CON2.12 CON2.13 CON2.14 CON2.17 CON2.18 CON2.19 CON2.20 CON2.23 CON2.24 CON2.25 CON2.26 CON2.29 CON2.30 CON2.31 CON2.32 CON2.35 CON2.36 CON2.37 CON2.38 CON2.41 CON2.42 CON2.43 CON2.44 CON2.47 CON2.48 CON2.49 CON2.50 CON2.54 CON2.56 CON2.60 CON2.62 CON2.66 CON2.68 CON2.72 CON2.74 CON2.78 CON2.80 CON2.84 CON2.86 CON3.21 CON3.23 CON3.27 CON3.29 CON3.33 CON3.35 CON3.41 CON3.43 CON3.45 CON3.57 CON3.61 CON3.63 CON3.66 CON3.74 CON3.76 CON3.78 CON3.80 CON3.82 CON3.83 CON3.86 CON3.87 CON3.88 CON3.89 CON3.90 CON3.91 CON3.92 CON3.93 CON3.97 CON3.99 CON4.28 CON4.30 CON4.34 CON4.36 CON4.40 CON4.42 CON4.46 CON4.48 CON4.71 CON4.72 CON4.73 CON4.74 CON4.75 CON4.76 CON4.77 CON4.78 CON4.82 CON4.84 CON4.86 CON4.88 CON4.92 CON4.94 CON4.95 D6.2 eDP1.1 eDP1.2 eDP1.3 eDP1.4 eDP1.5 eDP1.6 eDP1.7 eDP1.8 eDP1.9 eDP1.13 eDP1.20 eDP1.40 ETH1. ETH1.1 ETH1.6 ETH1.7 ETH1.12 ETH1.15 IC12.15 IC12.21 IC14.16 IC16.4 IC18.4 J1.1 J1.3 J1.5 J1.7 J1.9 J1.11 J1.13 J1.15 J1.17 J1.19 J1.21 J1.23 J1.25 J1.27 J1.29 J1.31 J1.33 J1.35 J1.37 J1.39 J1.41 J1.43 J1.45 J1.47 J1.49 J1.51 J1.53 J1.55 J1.57 J1.59 J1.61 J1.63 J1.65 J1.67 J1.69 J1.71 J1.73 J1.75 J1.77 J1.79 J1.81 J1.83 J1.85 J1.87 J1.89 J1.91 J1.93 J1.95 J1.97 J1.99 J1.102 J1.104 J1.106 J1.108 J1.110 J1.112 J1.114 J1.116 J1.118 J1.120 J1.122 J1.124 J1.126 J1.128 J1.130 J1.132 J1.134 J1.136 J1.138 J1.140 J1.142 J1.144 J1.146 J1.148 J1.150 J1.152 J1.154 J1.156 J1.158 J1.160 J1.162 J1.164 J1.166 J1.168 J1.170 J1.172 J1.174 J1.176 J1.178 J1.180 J1.182 J1.184 J1.186 J1.188 J1.190 J1.192 J1.194 J1.196 J1.198 J1.200 J1.201 J1.203 J1.205 J1.207 J1.209 J1.211 J1.213 J1.215 J1.217 J1.219 J1.221 J1.223 J1.225 J1.227 J1.229 J1.231 J1.233 J1.235 J1.237 J1.239 J1.241 J1.243 J1.245 J1.247 J1.249 J1.251 J1.253 J1.255 J1.257 J1.259 J1.261 J1.263 J1.265 J1.267 J1.269 J1.271 J1.273 J1.275 J1.277 J1.279 J1.281 J1.283 J1.285 J1.287 J1.289 J1.291 J1.293 J1.295 J1.297 J1.299 J1.302 J1.304 J1.306 J1.308 J1.310 J1.312 J1.314 J1.316 J1.318 J1.320 J1.322 J1.324 J1.326 J1.328 J1.330 J1.332 J1.334 J1.336 J1.338 J1.340 J1.342 J1.344 J1.346 J1.348 J1.350 J1.352 J1.354 J1.356 J1.358 J1.360 J1.362 J1.364 J1.366 J1.368 J1.370 J1.372 J1.374 J1.376 J1.378 J1.380 J1.382 J1.384 J1.386 J1.388 J1.390 J1.392 J1.394 J1.396 J1.398 J1.400 J7. J8.A2 J8.A3 J8.A8 J8.A10 J8.A11 J8.B2 J8.B3 J8.B8 J8.B10 J8.B11 J13.2 J13.3 J14.2 J14.3 Mask.3 Mask.4 Mask.5 NVME. NVME.6 NVME.8 NVME.20 NVME.22 NVME.24 NVME.26 NVME.28 NVME.30 NVME.32 NVME.34 NVME.36 NVME.38 NVME.40 NVME.42 NVME.44 NVME.46 NVME.48 NVME.56 NVME.58 NVME.67 NVME.68 NVME.69 NVME.S1 NVME.S2 Power.3 Power.4 Power.5 Q2.2 Q6.9 Q7.9 Recovery.3 Recovery.4 Recovery.5 Reset.3 Reset.4 Reset.5 U3.3 U3.8 U9.3 U9.8 U13. U13.4 U17.17 U17.18 U20.1 U20.2 U20.9 U20.10 U25. U25.5 U25.6 U25.7 U25.13 U25.19 U25.36 U25.37 U27.6 U27.7 U27.12 U27.21 WIFI. WIFI.6 WIFI.16 WIFI.38 WIFI.40 WIFI.44 WIFI.46 WIFI.48 WIFI.50 WIFI.58 WIFI.59 WIFI.60 WIFI.61 WIFI.62 WIFI.64 WIFI.65 WIFI.66 WIFI.67 WIFI.68 WIFI.71 WIFI.73

## Polygon pours and split planes (outlines as drawn)
no net on GND PLANE1 (split plane): 7853.92,20.1 20.1,20.1 20.1,738.19 20.1,4546.83 7853.92,4546.83
no net on POWER_PLANE1 (split plane): 7853.92,20.1 20.1,20.1 20.1,738.19 20.1,4546.83 7853.92,4546.83
no net on POWER_PLANE2 (split plane): 7853.92,20.1 20.1,20.1 20.1,738.19 20.1,4546.83 7853.92,4546.83
no net on GND_PLANE3 (split plane): 7853.92,20.1 20.1,20.1 20.1,738.19 20.1,4546.83 7853.92,4546.83

## Silkscreen, mask and mechanical layers (free items; w line width, h text height)
Top Overlay:
  text ".NomDeProjet" at 2125.98,-933.8 h59.06
  text ".Revision" at 2204.72,-983.6 h59.06
Board:
  lines w7.87: 0,0 7874.02,0 7874.02,246.06 7874.02,738.19 7874.02,4566.93 2204.72,4566.93 0,4566.93 0,738.19 0,246.06 0,0
Drill Drawing:
  drawing of 594 lines, arcs and shapes, not listed
  text "Symbol" at 18901.85,17855.77 h70.87
  text "Count" at 19179.23,17855.77 h70.87
  text "Hole Size" at 19463.34,17855.77 h70.87
  text "Plated" at 20031.07,17855.77 h70.87
  text "Hole Type" at 20274.6,17855.77 h70.87
  text "Drill Layer Pair" at 20629.13,17855.77 h70.87
  text "Via/Pad" at 21700,17855.77 h70.87
  text "Pad Shape" at 21990.47,17855.77 h70.87
  text "Hole Length" at 22369.99,17855.77 h70.87
  text "24" at 19179.23,17733.6 h59.06
  text "0.300mm (11.81mil)" at 19463.34,17733.6 h59.06
  text "PTH" at 20031.07,17733.6 h59.06
  text "Round" at 20274.6,17733.6 h59.06
  text "HIGH_SPEED_TOP - HIGH_SPEED_BOT" at 20629.13,17733.6 h59.06
  text "Via" at 21700,17733.6 h59.06
  text "Rounded" at 21990.47,17733.6 h59.06
  text "-" at 22369.99,17733.6 h59.06
  text "F" at 18876.88,17723.61 h54.3
  text "2" at 19179.23,17611.44 h59.06
  text "0.600mm (23.62mil)" at 19463.34,17611.44 h59.06
  text "PTH" at 20031.07,17611.44 h59.06
  text "Slot" at 20274.6,17611.44 h59.06
  text "HIGH_SPEED_TOP - HIGH_SPEED_BOT" at 20629.13,17611.44 h59.06
  text "Pad" at 21700,17611.44 h59.06
  text "Rounded" at 21990.47,17611.44 h59.06
  text "1.100mm (43.31mil)" at 22369.99,17611.44 h59.06
  text "2" at 19179.23,17489.27 h59.06
  text "0.600mm (23.62mil)" at 19463.34,17489.27 h59.06
  text "PTH" at 20031.07,17489.27 h59.06
  text "Slot" at 20274.6,17489.27 h59.06
  text "HIGH_SPEED_TOP - HIGH_SPEED_BOT" at 20629.13,17489.27 h59.06
  text "Pad" at 21700,17489.27 h59.06
  text "Rounded" at 21990.47,17489.27 h59.06
  text "1.300mm (51.18mil)" at 22369.99,17489.27 h59.06
  text "6" at 19179.23,17367.1 h59.06
  text "0.600mm (23.62mil)" at 19463.34,17367.1 h59.06
  text "PTH" at 20031.07,17367.1 h59.06
  text "Slot" at 20274.6,17367.1 h59.06
  text "HIGH_SPEED_TOP - HIGH_SPEED_BOT" at 20629.13,17367.1 h59.06
  text "Pad" at 21700,17367.1 h59.06
  text "Rounded" at 21990.47,17367.1 h59.06
  text "1.600mm (62.99mil)" at 22369.99,17367.1 h59.06
  text "6" at 19179.23,17244.94 h59.06
  text "0.600mm (23.62mil)" at 19463.34,17244.94 h59.06
  text "PTH" at 20031.07,17244.94 h59.06
  text "Slot" at 20274.6,17244.94 h59.06
  text "HIGH_SPEED_TOP - HIGH_SPEED_BOT" at 20629.13,17244.94 h59.06
  text "Pad" at 21700,17244.94 h59.06
  text "Rounded" at 21990.47,17244.94 h59.06
  text "2.100mm (82.68mil)" at 22369.99,17244.94 h59.06
  text "8" at 19179.23,17122.77 h59.06
  text "0.700mm (27.56mil)" at 19463.34,17122.77 h59.06
  text "PTH" at 20031.07,17122.77 h59.06
  text "Round" at 20274.6,17122.77 h59.06
  text "HIGH_SPEED_TOP - HIGH_SPEED_BOT" at 20629.13,17122.77 h59.06
  text "Pad" at 21700,17122.77 h59.06
  text "(Mixed)" at 21990.47,17122.77 h59.06
  text "-" at 22369.99,17122.77 h59.06
  text "D" at 18876.88,17112.78 h54.3
  text "Layer" at -18.28,17083.07 h59.06
  text "Name" at 228.8,17083.07 h59.06
  text "Thickness" at 859.06,17083.07 h59.06
  text "Gerber" at 1211.73,17083.07 h59.06
  text "Board Layer Stack" at 1492.11,17083.07 h59.06
  text "3" at 19179.23,17000.6 h59.06
  text "0.850mm (33.47mil)" at 19463.34,17000.6 h59.06
  text "PTH" at 20031.07,17000.6 h59.06
  text "Round" at 20274.6,17000.6 h59.06
  text "HIGH_SPEED_TOP - HIGH_SPEED_BOT" at 20629.13,17000.6 h59.06
  text "Pad" at 21700,17000.6 h59.06
  text "(Mixed)" at 21990.47,17000.6 h59.06
  text "-" at 22369.99,17000.6 h59.06
  text "Top Overlay" at 228.8,16964.96 h59.06
  text "GTO" at 1211.73,16964.96 h59.06
  text "2" at 19179.23,16878.43 h59.06
  text "0.910mm (35.83mil)" at 19463.34,16878.43 h59.06
  text "PTH" at 20031.07,16878.43 h59.06
  text "Round" at 20274.6,16878.43 h59.06
  text "HIGH_SPEED_TOP - HIGH_SPEED_BOT" at 20629.13,16878.43 h59.06
  text "Pad" at 21700,16878.43 h59.06
  text "(Mixed)" at 21990.47,16878.43 h59.06
  text "-" at 22369.99,16878.43 h59.06
  text "E" at 18876.88,16868.44 h54.3
  text "Top Solder" at 228.8,16846.85 h59.06
  text "0.025mm" at 859.06,16846.85 h59.06
  text "GTS" at 1211.73,16846.85 h59.06
  text "2" at 19179.23,16756.27 h59.06
  text "1.000mm (39.37mil)" at 19463.34,16756.27 h59.06
  text "NPTH" at 20031.07,16756.27 h59.06
  text "Round" at 20274.6,16756.27 h59.06
  text "HIGH_SPEED_TOP - HIGH_SPEED_BOT" at 20629.13,16756.27 h59.06
  text "Pad" at 21700,16756.27 h59.06
  text "Rounded" at 21990.47,16756.27 h59.06
  text "-" at 22369.99,16756.27 h59.06
  text "Top Surface Finish" at 228.8,16728.74 h59.06
  text "0.020mm" at 859.06,16728.74 h59.06
  text "8" at 19179.23,16634.1 h59.06
  text "1.000mm (39.37mil)" at 19463.34,16634.1 h59.06
  text "PTH" at 20031.07,16634.1 h59.06
  text "Round" at 20274.6,16634.1 h59.06
  text "HIGH_SPEED_TOP - HIGH_SPEED_BOT" at 20629.13,16634.1 h59.06
  text "Pad" at 21700,16634.1 h59.06
  text "Rounded" at 21990.47,16634.1 h59.06
  text "-" at 22369.99,16634.1 h59.06
  text "1" at -18.28,16610.63 h59.06
  text "HIGH_SPEED_TOP" at 228.8,16610.63 h59.06
  text "0.035mm" at 859.06,16610.63 h59.06
  text "GTL" at 1211.73,16610.63 h59.06
  text "12" at 19179.23,16511.93 h59.06
  text "1.020mm (40.16mil)" at 19463.34,16511.93 h59.06
  text "PTH" at 20031.07,16511.93 h59.06
  text "Round" at 20274.6,16511.93 h59.06
  text "HIGH_SPEED_TOP - HIGH_SPEED_BOT" at 20629.13,16511.93 h59.06
  text "Pad" at 21700,16511.93 h59.06
  text "(Mixed)" at 21990.47,16511.93 h59.06
  text "-" at 22369.99,16511.93 h59.06
  text "A" at 18876.88,16501.94 h54.3
  text "Dielectric 2" at 228.8,16492.52 h59.06
  text "0.116mm" at 859.06,16492.52 h59.06
  text "9" at 19179.23,16389.76 h59.06
  text "1.100mm (43.31mil)" at 19463.34,16389.76 h59.06
  text "PTH" at 20031.07,16389.76 h59.06
  text "Round" at 20274.6,16389.76 h59.06
  text "HIGH_SPEED_TOP - HIGH_SPEED_BOT" at 20629.13,16389.76 h59.06
  text "Pad" at 21700,16389.76 h59.06
  text "(Mixed)" at 21990.47,16389.76 h59.06
  text "-" at 22369.99,16389.76 h59.06
  text "2" at -18.33,16374.41 h59.06
  text "GND PLANE1" at 228.8,16374.41 h59.06
  text "0.015mm" at 859.06,16374.41 h59.06
  text "GP1" at 1211.73,16374.41 h59.06
  text "2" at 19179.23,16267.6 h59.06
  text "1.150mm (45.28mil)" at 19463.34,16267.6 h59.06
  text "NPTH" at 20031.07,16267.6 h59.06
  text "Round" at 20274.6,16267.6 h59.06
  text "HIGH_SPEED_TOP - HIGH_SPEED_BOT" at 20629.13,16267.6 h59.06
  text "Pad" at 21700,16267.6 h59.06
  text "Rounded" at 21990.47,16267.6 h59.06
  text "-" at 22369.99,16267.6 h59.06
  text "Dielectric 3" at 228.8,16256.3 h59.06
  text "0.300mm" at 859.06,16256.3 h59.06
  text "5" at 19179.23,16145.43 h59.06
  text "1.270mm (50.00mil)" at 19463.34,16145.43 h59.06
  text "PTH" at 20031.07,16145.43 h59.06
  text "Round" at 20274.6,16145.43 h59.06
  text "HIGH_SPEED_TOP - HIGH_SPEED_BOT" at 20629.13,16145.43 h59.06
  text "Pad" at 21700,16145.43 h59.06
  text "Rounded" at 21990.47,16145.43 h59.06
  text "-" at 22369.99,16145.43 h59.06
  text "3" at -18.28,16138.19 h59.06
  text "LOW_SPEED" at 228.8,16138.19 h59.06
  text "0.015mm" at 859.06,16138.19 h59.06
  text "G1" at 1211.73,16138.19 h59.06
  text "B" at 18876.88,16135.44 h54.3
  text "4" at 19179.23,16023.26 h59.06
  text "1.300mm (51.18mil)" at 19463.34,16023.26 h59.06
  text "PTH" at 20031.07,16023.26 h59.06
  text "Round" at 20274.6,16023.26 h59.06
  text "HIGH_SPEED_TOP - HIGH_SPEED_BOT" at 20629.13,16023.26 h59.06
  text "Pad" at 21700,16023.26 h59.06
  text "(Mixed)" at 21990.47,16023.26 h59.06
  text "-" at 22369.99,16023.26 h59.06
  text "Dielectric 4" at 228.8,16020.08 h59.06
  text "0.076mm" at 859.06,16020.08 h59.06
  text "Dielectric 5" at 228.8,15901.97 h59.06
  text "0.076mm" at 859.06,15901.97 h59.06
  text "2" at 19179.23,15901.09 h59.06
  text "1.570mm (61.81mil)" at 19463.34,15901.09 h59.06
  text "PTH" at 20031.07,15901.09 h59.06
  text "Round" at 20274.6,15901.09 h59.06
  text "HIGH_SPEED_TOP - HIGH_SPEED_BOT" at 20629.13,15901.09 h59.06
  text "Pad" at 21700,15901.09 h59.06
  text "Rounded" at 21990.47,15901.09 h59.06
  text "-" at 22369.99,15901.09 h59.06
  text "4" at -18.28,15783.86 h59.06
  text "POWER_PLANE1" at 228.8,15783.86 h59.06
  text "0.015mm" at 859.06,15783.86 h59.06
  text "GP2" at 1211.73,15783.86 h59.06
  text "4" at 19179.23,15778.93 h59.06
  text "1.600mm (62.99mil)" at 19463.34,15778.93 h59.06
  text "PTH" at 20031.07,15778.93 h59.06
  text "Round" at 20274.6,15778.93 h59.06
  text "HIGH_SPEED_TOP - HIGH_SPEED_BOT" at 20629.13,15778.93 h59.06
  text "Pad" at 21700,15778.93 h59.06
  text "Rounded" at 21990.47,15778.93 h59.06
  text "-" at 22369.99,15778.93 h59.06
  text "Dielectric 6" at 228.8,15665.75 h59.06
  text "0.300mm" at 859.06,15665.75 h59.06
  text "2" at 19179.23,15656.76 h59.06
  text "1.650mm (64.96mil)" at 19463.34,15656.76 h59.06
  text "NPTH" at 20031.07,15656.76 h59.06
  text "Round" at 20274.6,15656.76 h59.06
  text "HIGH_SPEED_TOP - HIGH_SPEED_BOT" at 20629.13,15656.76 h59.06
  text "Pad" at 21700,15656.76 h59.06
  text "Rounded" at 21990.47,15656.76 h59.06
  text "-" at 22369.99,15656.76 h59.06
  text "5" at -18.28,15547.64 h59.06
  text "POWER_PLANE2" at 228.8,15547.64 h59.06
  text "0.015mm" at 859.06,15547.64 h59.06
  text "GP3" at 1211.73,15547.64 h59.06
  text "4" at 19179.23,15534.59 h59.06
  text "3.100mm (122.05mil)" at 19463.34,15534.59 h59.06
  text "PTH" at 20031.07,15534.59 h59.06
  text "Round" at 20274.6,15534.59 h59.06
  text "HIGH_SPEED_TOP - HIGH_SPEED_BOT" at 20629.13,15534.59 h59.06
  text "Pad" at 21700,15534.59 h59.06
  text "Rounded" at 21990.47,15534.59 h59.06
  text "-" at 22369.99,15534.59 h59.06
  text "Dielectric 7" at 228.8,15429.53 h59.06
  text "0.076mm" at 859.06,15429.53 h59.06
  text "11" at 19179.23,15412.42 h59.06
  text "3.200mm (126.00mil)" at 19463.34,15412.42 h59.06
  text "NPTH" at 20031.07,15412.42 h59.06
  text "Round" at 20274.6,15412.42 h59.06
  text "HIGH_SPEED_TOP - HIGH_SPEED_BOT" at 20629.13,15412.42 h59.06
  text "Pad" at 21700,15412.42 h59.06
  text "Rounded" at 21990.47,15412.42 h59.06
  text "-" at 22369.99,15412.42 h59.06
  text "Dielectric 8" at 228.8,15311.42 h59.06
  text "0.076mm" at 859.06,15311.42 h59.06
  text "2" at 19179.23,15290.26 h59.06
  text "3.250mm (127.95mil)" at 19463.34,15290.26 h59.06
  text "NPTH" at 20031.07,15290.26 h59.06
  text "Round" at 20274.6,15290.26 h59.06
  text "HIGH_SPEED_TOP - HIGH_SPEED_BOT" at 20629.13,15290.26 h59.06
  text "Pad" at 21700,15290.26 h59.06
  text "Rounded" at 21990.47,15290.26 h59.06
  text "-" at 22369.99,15290.26 h59.06
  text "C" at 18876.88,15280.27 h54.3
  text "6" at -18.28,15193.31 h59.06
  text "SIGNAL" at 228.8,15193.31 h59.06
  text "0.015mm" at 859.06,15193.31 h59.06
  text "G2" at 1211.73,15193.31 h59.06
  text "120 Total" at 19179.23,15168.09 h59.06
  text "Slot definitions :" at 18901.85,15082.57 h59.06
  text "Routed Path Length" at 19304.43,15082.57 h59.06
  text "= Calculated from tool start centre position to tool end centre position." at 19803.16,15082.57 h59.06
  text "Dielectric 9" at 228.8,15075.2 h59.06
  text "0.300mm" at 859.06,15075.2 h59.06
  text "Hole Length" at 19304.43,15033.71 h59.06
  text "= Routed Path Length + Tool Size = Slot length as defined in the PCB layout" at 19617.82,15033.71 h59.06
  text "7" at -18.28,14957.09 h59.06
  text "Mid-Layer 11" at 228.8,14957.09 h59.06
  text "0.036mm" at 859.06,14957.09 h59.06
  text "G3" at 1211.73,14957.09 h59.06
  text "Dielectric10" at 228.8,14838.98 h59.06
  text "0.320mm" at 859.06,14838.98 h59.06
  text "8" at -18.28,14720.87 h59.06
  text "GND_PLANE3" at 228.8,14720.87 h59.06
  text "0.015mm" at 859.06,14720.87 h59.06
  text "GP4" at 1211.73,14720.87 h59.06
  text "Dielectric 10" at 228.8,14602.76 h59.06
  text "0.116mm" at 859.06,14602.76 h59.06
  text "9" at -18.28,14484.65 h59.06
  text "HIGH_SPEED_BOT" at 228.8,14484.65 h59.06
  text "0.035mm" at 859.06,14484.65 h59.06
  text "GBL" at 1211.73,14484.65 h59.06
  text "Bottom Surface Finish" at 228.8,14366.54 h59.06
  text "0.020mm" at 859.06,14366.54 h59.06
  text "Bottom Solder" at 228.8,14248.43 h59.06
  text "0.025mm" at 859.06,14248.43 h59.06
  text "GBS" at 1211.73,14248.43 h59.06
  text "Bottom Overlay" at 228.8,14130.32 h59.06
  text "GBO" at 1211.73,14130.32 h59.06
  text "Total board thickness:" at -18.28,14012.21 h59.06
  text "2.046mm" at 859,14012.21 h59.06

## Dimensions
0,738.19 to 7874.02,738.19 on Drill Drawing
0,0 to 0,4527.56 on Drill Drawing

## Text inside footprints (layer, text, board x,y; h text height)
C11: Top Overlay "+" at 12306.05,14145.86 h40 r180
C169: Top Overlay "+" at 16306.05,13145.86 h40 r180
C173: Top Overlay "+" at 14306.05,13145.86 h40 r180
C177: Top Overlay "+" at 11906.05,13145.86 h40 r180
C181: Top Overlay "+" at 9406.05,13145.86 h40 r180
C186: Top Overlay "+" at 12606.05,15245.86 h40 r180
J1: Mid-Layer 11 "CON1" at 1356.43,1977.17 h39.37 r90; Mid-Layer 11 "CON2" at 1387.93,3508.66 h39.37 r90; Mid-Layer 11 "CON3" at 2344.67,1988.98 h39.37 r90; Mid-Layer 11 "CON4" at 2340.68,3508.66 h39.37 r90
J2: Mechanical 13 "PCB Edge" at 11.96,1425.99 h39.37 r270
J3: Mechanical 13 "PCB Edge" at 11.96,2241.68 h39.37 r270
J6: Top Designator "PCB Edge" at 2051.52,4586.03 h24 r180
J8: Mechanical 13 "PCB Edge" at 7281.35,4564.06 h39.37 r180
U4: Top Overlay "Designator9" at 10098.05,14249.2 h50 r270
U5: Top Overlay "Designator9" at 10298.05,14249.2 h50 r270
U6: Top Overlay "Designator9" at 10598.05,14249.2 h50 r270
U10: Top Overlay "Designator9" at 10198.05,15349.2 h50 r270
U11: Top Overlay "Designator9" at 10398.05,15349.2 h50 r270
U12: Top Overlay "Designator9" at 10598.05,15349.2 h50 r270
U14: Top Overlay "Designator9" at 8098.05,3749.2 h50 r270
U15: Top Overlay "Designator9" at 8398.05,3749.2 h50 r270
U16: Top Overlay "*" at 15998.8,5671.21 h50 r180; Mechanical 13 "*" at 15960.05,5714.21 h50 r180
U17: Top Overlay "*" at 12367.05,5501.04 h50 r180; Mechanical 13 "*" at 12308.05,5548.2 h50 r180
U18: Top Overlay "Designator9" at 8098.05,9849.2 h50 r270
U19: Top Overlay "Designator9" at 8398.05,9849.2 h50 r270
U20: Top Overlay "Designator9" at 12098.05,4549.2 h50 r270
U21: Top Overlay "Designator9" at 12298.05,4549.2 h50 r270
U22: Top Overlay "Designator9" at 12498.05,4549.2 h50 r270
U23: Top Overlay "Designator9" at 12798.05,4549.2 h50 r270